# Altium PCB version2.PcbDoc
Units mm, origin at the board's own origin, x right, y up, seen from the top; angles counter-clockwise.
Board outline 61.21 x 83.69 mm, 2 copper layers (Top Layer, Bottom Layer); 32 components, 26 nets, 116 pads, 33 vias.
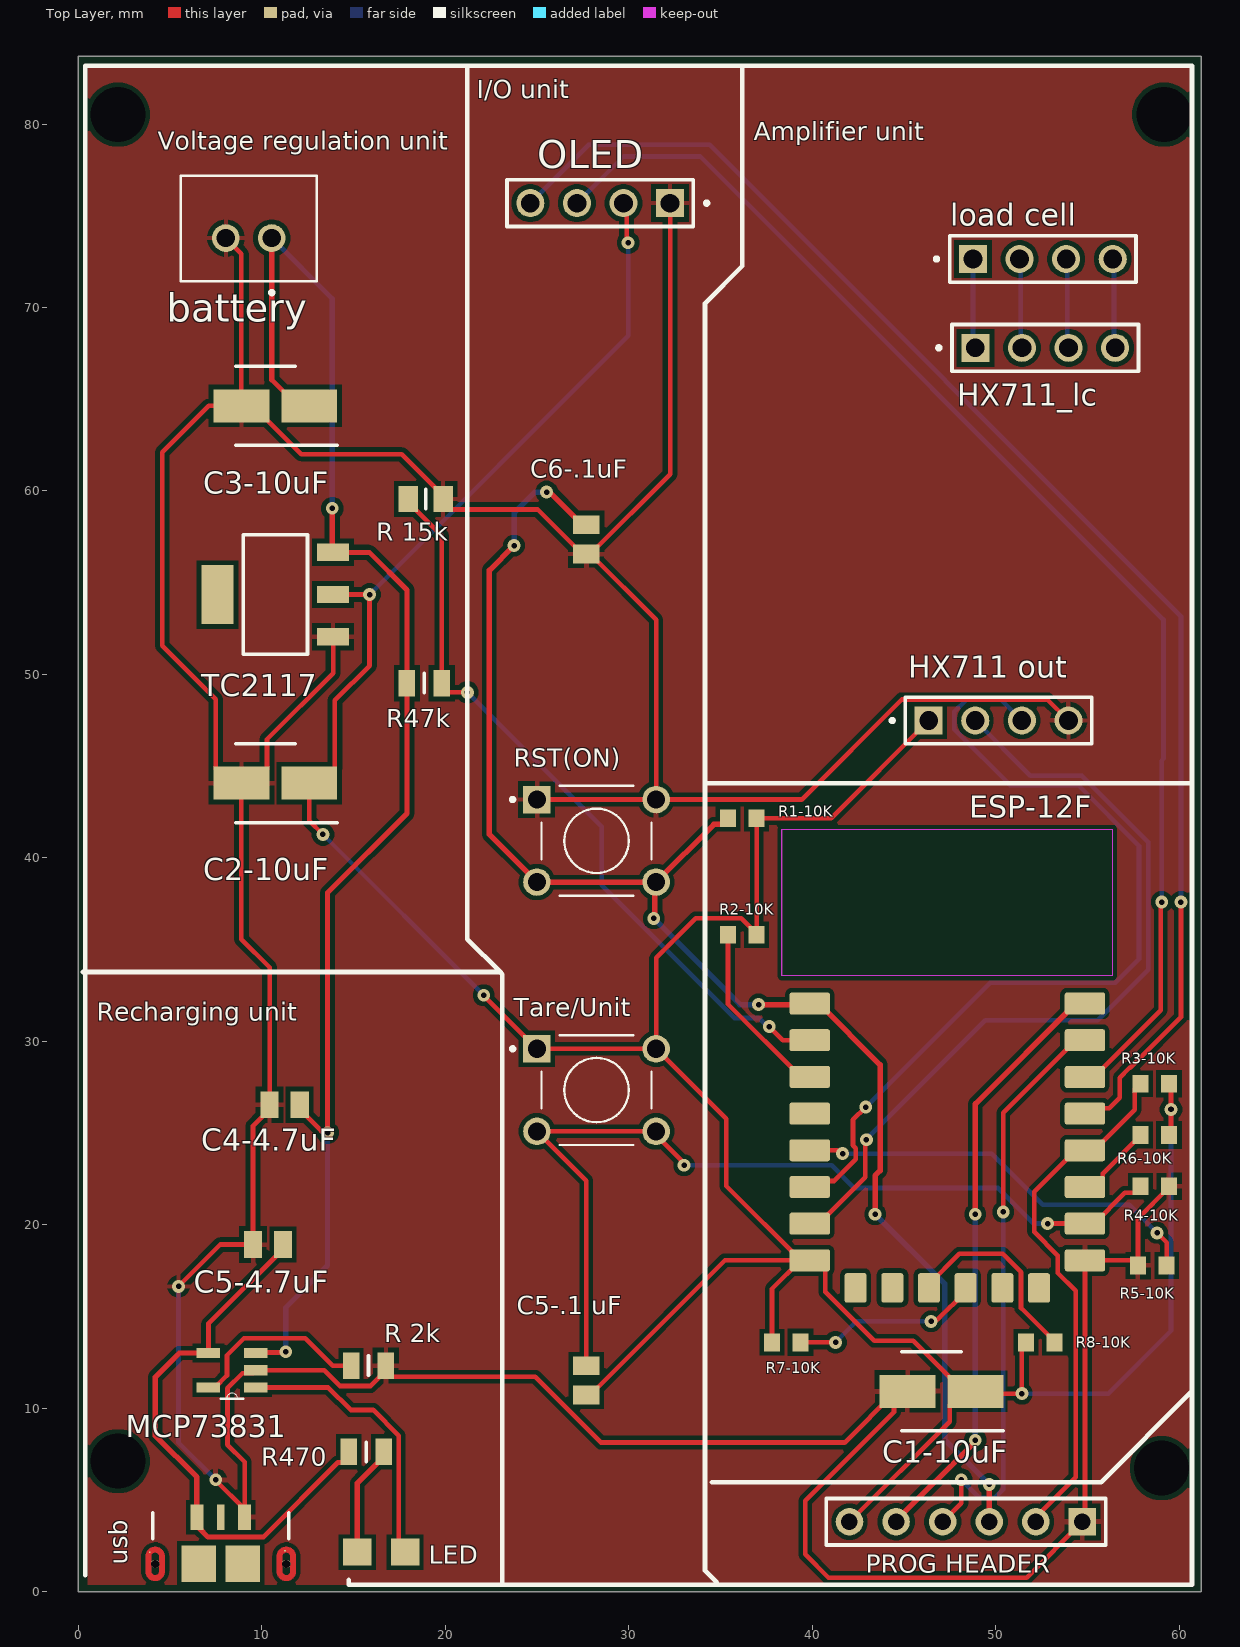
[diagram p0: Top Layer view]
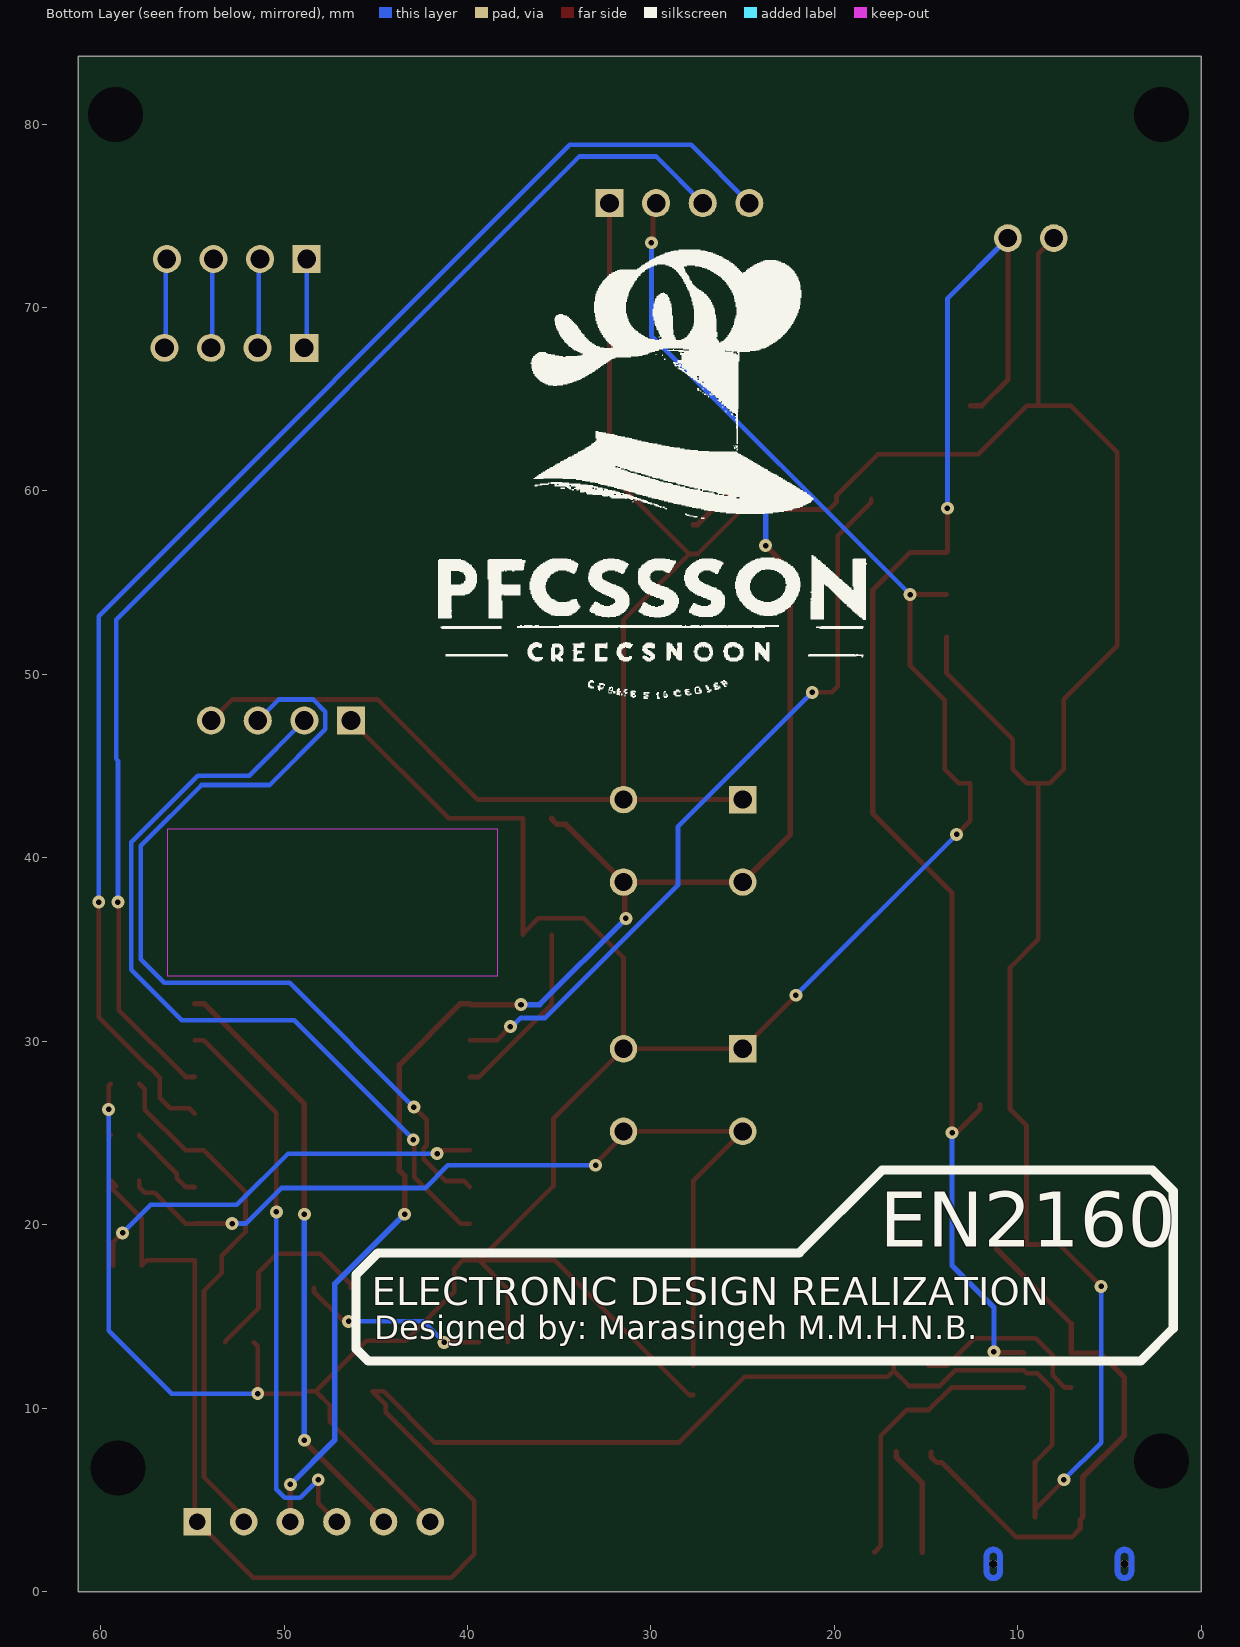
[diagram p1: Bottom Layer view, seen from below]
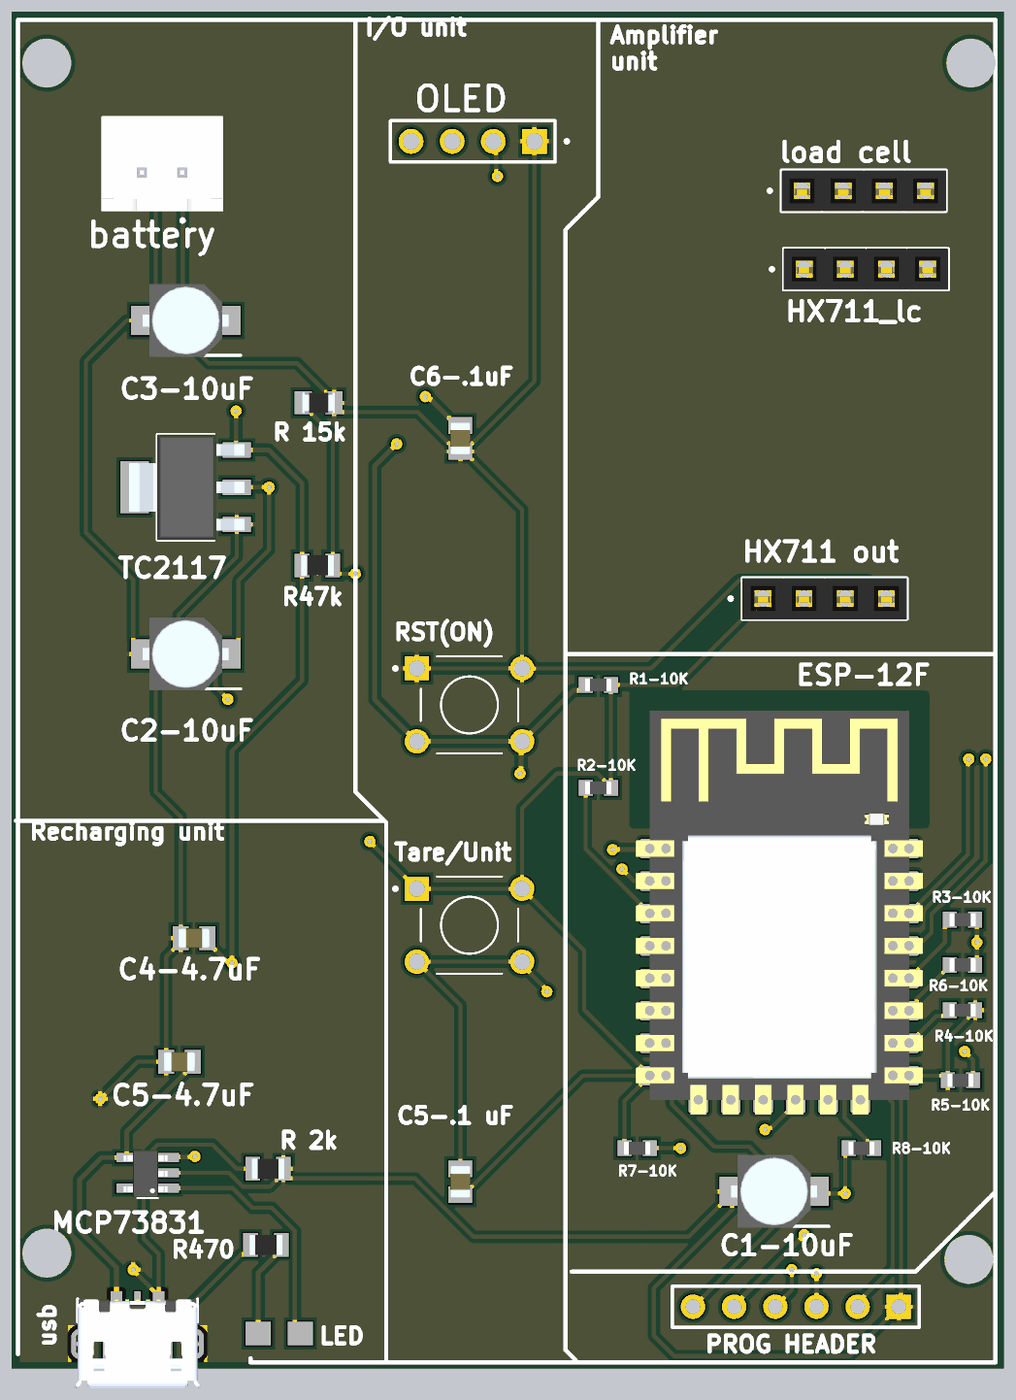
[diagram p2: 3D render of the assembled board from above, using the file's embedded part models]

## Layer stack, top to bottom
Top Solder: solder mask 0.0102, Solder Resist, Dk 3.5
Top Layer: signal copper 0.0356
Dielectric 1: dielectric 0.32, FR-4, Dk 4.8
Bottom Layer: signal copper 0.0356
Bottom Solder: solder mask 0.0102, Solder Resist, Dk 3.5

## Board outline
0,0 61.214,0 61.214,83.693 0,83.693

## Design rules (kind name [scope] priority, off if disabled: settings)
Clearance [All] p1: gap=0.254 ignorepadtopadclearanceinfootprint=TRUE except(0: Arc-Hole Track-Hole SMDPad-Hole THPad-Hole Via-Hole Fill-Hole Poly-Hole Region-Hole Text-Hole)
HoleSize [All] p1: absolutevalues=TRUE maxlimit=3 minlimit=0.025 maxpercent=80.000 minpercent=20.000
MinimumSolderMaskSliver [All] p1: minsoldermaskwidth=0.1
PolygonConnect [All] p1: connectstyle=Relief reliefconductorwidth=0.254 reliefentries=4 polygonreliefangle="90 Angle" airgapwidth=0.254
RoutingVias [All] p1: holewidth=0.3 width=0.7 viastyle="Through Hole" minholewidth=0.3 minwidth=0.7 maxholewidth=0.3 maxwidth=0.7
SMDNeckDown [All] p1: percent=50.000
SolderMaskExpansion [All] p1: expansion=0.102 istentingtop=FALSE
Width [All] p1: maxlimit=0.3 minlimit=0.254 preferedwidth=0.3
28 further rules are at their usual default settings.

## Components (designator, comment, footprint, x,y, rotation, side; value= is the part's Value field where it differs from the comment)
battery "B2B-XH-A(LF)(SN)" JST_B2B-XH-A(LF)(SN) 9.291,73.787 r0 top
C1-10uF "865080340001" CAPAE430X550N 47.045,10.922 r180 top
C2-10uF "865080340001" CAPAE430X550N 10.737,44.069 r180 top
C3-10uF "865080340001" CAPAE430X550N 10.737,64.643 r180 top
C4-4.7uF "885012107013" CAPC2012X145N 11.245,26.543 r0 top
C5-4.7uF "885012107013" CAPC2012X145N 10.345,18.923 r180 top
"C5-.1 uF" "C0805C104K5RAC7411" CAPC2012X88N 27.686,11.519 r90 top
C6-.1uF "C0805C104K5RAC7411" CAPC2012X88N 27.686,57.366 r90 top
ESP-12F "ESP-12F" ESP-12F 47.371,27.559 r0 top
"HX711 out" "MTSW-104-XX-X-S-XXX" SAMTEC_MTSW-104-XX-X-S-XXX 50.164,47.487 r0 top
HX711_lc "MTSW-104-XX-X-S-XXX" SAMTEC_MTSW-104-XX-X-S-XXX 52.709,67.804 r0 top
LED "CLM3C-AKW-CUAVB253" LEDM3020X140N 16.51,2.159 r180 top
"load cell" "MTSW-104-XX-X-S-XXX" SAMTEC_MTSW-104-XX-X-S-XXX 52.578,72.644 r0 top
MCP73831 "MCP73831T-2ACI/OT" SOT95P280X145-5N 8.382,12.065 r180 top
OLED "MTSW-104-XX-X-S-XXX" SAMTEC_MTSW-104-XX-X-S-XXX 28.448,75.692 r180 top
"PROG HEADER" "Header 6" HDR1X6 54.737,3.81 r180 top (schematic designator PROG_HEADER)
R1-10K "CRG0603F10K/10" RESC1608X55N 36.195,42.164 r180 top
R2-10K "CRG0603F10K/10" RESC1608X55N 36.195,35.814 r180 top
R3-10K "CRG0603F10K/10" RESC1608X55N 58.674,27.686 r0 top
R4-10K "CRG0603F10K/10" RESC1608X55N 58.674,22.098 r180 top
R5-10K "CRG0603F10K/10" RESC1608X55N 58.547,17.78 r0 top
R6-10K "CRG0603F10K/10" RESC1608X55N 58.674,24.892 r180 top
R7-10K "CRG0603F10K/10" RESC1608X55N 38.59,13.589 r180 top
R8-10K "CRG0603F10K/10" RESC1608X55N 52.433,13.589 r180 top
R47k "CR0805-JW-473ELF" RESC2012X60N 18.862,49.53 r180 top (schematic designator "R 47k")
R470 "CRCW0805470RFKEAC" RESC2012X60N 15.687,7.62 r0 top (schematic designator "R 470")
"R 2k" "CR0805-JW-202ELF" RESC2012X60N 15.814,12.319 r180 top
"R 15k" "ERJ-6GEYJ153V" RESC2012X70N 18.937,59.563 r180 top
RST(ON) "1825910-2" TE_1825910-2 24.996,43.18 r0 top
Tare/Unit "1825910-2" TE_1825910-2 24.996,29.591 r0 top
TC2117 "TC2117-3.3VDBTR" SOT230P700X180-4N 10.737,54.356 r180 top
usb "USB3090-XX-X_REVE" GCT_USB3090-XX-X_REVE 7.762,1.514 r0 top

## Footprints (in the part's own frame and the unit in brackets; to place one, negate y for a bottom-side part, rotate by r counter-clockwise, add the part's x,y. Pads: shape width x height; smd on the part's side, far side on the other; paste and mask are expansions set on the pad)
CAPAE430X550N [mm]
  rect 3.05x1.8 smd: 1(-1.85,0) 2(1.85,0)
  silkscreen extent -3.38,-2.15 2.15,2.15, body extent -10,-3.38 10,3.38, height 5.8
CAPC2012X88N [mm]
  rect 1.02x1.47 smd: 1(-0.8,0) 2(0.8,0)
  body extent -10,-3.38 10,3.38, height 5.8
CAPC2012X145N [mm]
  rect 0.99x1.47 smd: 1(-0.82,0) 2(0.82,0)
  body extent -10,-3.38 10,3.38, height 5.8
ESP-12F [mm]
  rrect20% 2.2x1.2 smd: 1(-7.5,4.5) 2(-7.5,2.5) 3(-7.5,0.5) 4(-7.5,-1.5) 5(-7.5,-3.5) 6(-7.5,-5.5) 7(-7.5,-7.5) 8(-7.5,-9.5) 9(7.5,-9.5) 10(7.5,-7.5) 11(7.5,-5.5) 12(7.5,-3.5) 13(7.5,-1.5) 14(7.5,0.5) 15(7.5,2.5) 16(7.5,4.5)
  rrect20% 1.2x1.6 smd: 17(-5,-11) 18(-3,-11) 19(-1,-11) 20(1,-11) 21(3,-11) 22(5,-11)
  Keep-Out Layer region: 9,6.005 -9.007,6.005 -9.007,14 9,14
  Keep-Out Layer region: 9,6.011 -9.016,6.011 -9.016,14 9,14
  body extent -8.85,-11.88 8.85,13.02, height 3.1
GCT_USB3090-XX-X_REVE [mm]
  rect 0.7x1.4 smd paste+0 mask+0.254: 1(-1.3,2.55) 5(1.3,2.55)
  rect 0.4x1.4 smd: 3(0,2.55)
  rect 0.1x0.1 smd paste-1 mask+0: 6(-3.87,0.63) 7(3.51,0.72)
  rect 1.9x2 smd: 8(-1.2,0) 9(1.2,0)
  round 0.45 hole 0.45 unplated: ""(-3.575,0) ""(3.575,0)
  Top Layer region: -3.548,0.924 -3.52,0.922 -3.493,0.919 -3.466,0.914 -3.439,0.907 -3.413,0.899 -3.387,0.89 -3.361,0.88 -3.337,0.868 -3.313,0.855 -3.289,0.84 -3.266,0.825 -3.245,0.808 -3.224,0.79 -3.204,0.771 -3.185,0.751 -3.167,0.73 -3.15,0.709 -3.135,0.686 -3.12,0.662 -3.107,0.638 -3.095,0.614 -3.085,0.588 -3.076,0.562 -3.068,0.536 -3.061,0.509 -3.056,0.482 -3.053,0.455 -3.051,0.427 -3.05,0.4 -3.05,0 -3.35,0 -3.35,0.4 -3.35,0.412 -3.351,0.424 -3.353,0.435 -3.355,0.447 -3.358,0.458 -3.361,0.47 -3.365,0.481 -3.369,0.492 -3.375,0.502 -3.38,0.512 -3.386,0.523 -3.393,0.532 -3.4,0.542 -3.408,0.551 -3.416,0.559 -3.424,0.567 -3.433,0.575 -3.443,0.582 -3.452,0.589 -3.463,0.595 -3.473,0.6 -3.483,0.606 -3.494,0.61 -3.505,0.614 -3.517,0.617 -3.528,0.62 -3.54,0.622 -3.551,0.624 -3.563,0.625 -3.587,0.625 -3.599,0.624 -3.61,0.622 -3.622,0.62 -3.633,0.617 -3.645,0.614 -3.656,0.61 -3.667,0.606 -3.677,0.6 -3.688,0.595 -3.698,0.589 -3.707,0.582 -3.717,0.575 -3.726,0.567 -3.734,0.559 -3.742,0.551 -3.75,0.542 -3.757,0.532 -3.764,0.523 -3.77,0.513 -3.775,0.502 -3.781,0.492 -3.785,0.481 -3.789,0.47 -3.792,0.458 -3.795,0.447 -3.797,0.435 -3.799,0.424 -3.8,0.412 -3.8,0.4 -3.8,0 -4.1,0 -4.1,0.4 -4.099,0.427 -4.097,0.455 -4.094,0.482 -4.089,0.509 -4.082,0.536 -4.074,0.562 -4.065,0.588 -4.055,0.614 -4.043,0.638 -4.03,0.663 -4.015,0.686 -4,0.709 -3.983,0.73 -3.965,0.751 -3.946,0.771 -3.926,0.79 -3.905,0.808 -3.884,0.825 -3.861,0.84 -3.837,0.855 -3.813,0.868 -3.789,0.88 -3.763,0.89 -3.737,0.899 -3.711,0.907 -3.684,0.914 -3.657,0.919 -3.63,0.922 -3.602,0.924 -3.575,0.925
  Top Layer region: -3.05,-0.4 -3.051,-0.427 -3.053,-0.455 -3.056,-0.482 -3.061,-0.509 -3.068,-0.536 -3.076,-0.562 -3.085,-0.588 -3.095,-0.614 -3.107,-0.638 -3.12,-0.662 -3.135,-0.686 -3.15,-0.709 -3.167,-0.73 -3.185,-0.751 -3.204,-0.771 -3.224,-0.79 -3.245,-0.808 -3.266,-0.825 -3.289,-0.84 -3.313,-0.855 -3.337,-0.868 -3.361,-0.88 -3.387,-0.89 -3.413,-0.899 -3.439,-0.907 -3.466,-0.914 -3.493,-0.919 -3.52,-0.922 -3.548,-0.924 -3.575,-0.925 -3.602,-0.924 -3.63,-0.922 -3.657,-0.919 -3.684,-0.914 -3.711,-0.907 -3.737,-0.899 -3.763,-0.89 -3.789,-0.88 -3.813,-0.868 -3.837,-0.855 -3.861,-0.84 -3.884,-0.825 -3.905,-0.808 -3.926,-0.79 -3.946,-0.771 -3.965,-0.751 -3.983,-0.73 -4,-0.709 -4.015,-0.686 -4.03,-0.663 -4.043,-0.638 -4.055,-0.614 -4.065,-0.588 -4.074,-0.562 -4.082,-0.536 -4.089,-0.509 -4.094,-0.482 -4.097,-0.455 -4.099,-0.427 -4.1,-0.4 -4.1,0 -3.8,0 -3.8,-0.4 -3.8,-0.412 -3.799,-0.424 -3.797,-0.435 -3.795,-0.447 -3.792,-0.458 -3.789,-0.47 -3.785,-0.481 -3.781,-0.492 -3.775,-0.502 -3.77,-0.513 -3.764,-0.523 -3.757,-0.532 -3.75,-0.542 -3.742,-0.551 -3.734,-0.559 -3.726,-0.567 -3.717,-0.575 -3.707,-0.582 -3.698,-0.589 -3.688,-0.595 -3.677,-0.6 -3.667,-0.606 -3.656,-0.61 -3.645,-0.614 -3.633,-0.617 -3.622,-0.62 -3.61,-0.622 -3.599,-0.624 -3.587,-0.625 -3.563,-0.625 -3.551,-0.624 -3.54,-0.622 -3.528,-0.62 -3.517,-0.617 -3.505,-0.614 -3.494,-0.61 -3.483,-0.606 -3.473,-0.6 -3.463,-0.595 -3.452,-0.589 -3.443,-0.582 -3.433,-0.575 -3.424,-0.567 -3.416,-0.559 -3.408,-0.551 -3.4,-0.542 -3.393,-0.532 -3.386,-0.523 -3.38,-0.512 -3.375,-0.502 -3.369,-0.492 -3.365,-0.481 -3.361,-0.47 -3.358,-0.458 -3.355,-0.447 -3.353,-0.435 -3.351,-0.424 -3.35,-0.412 -3.35,-0.4 -3.35,0 -3.05,0
  Top Layer region: 3.602,0.924 3.63,0.922 3.657,0.919 3.684,0.914 3.711,0.907 3.737,0.899 3.763,0.89 3.789,0.88 3.813,0.868 3.837,0.855 3.861,0.84 3.884,0.825 3.905,0.808 3.926,0.79 3.946,0.771 3.965,0.751 3.983,0.73 4,0.709 4.015,0.686 4.03,0.663 4.043,0.638 4.055,0.614 4.065,0.588 4.074,0.562 4.082,0.536 4.089,0.509 4.094,0.482 4.097,0.455 4.099,0.427 4.1,0.4 4.1,0 3.8,0 3.8,0.4 3.8,0.412 3.799,0.424 3.797,0.435 3.795,0.447 3.792,0.458 3.789,0.47 3.785,0.481 3.781,0.492 3.775,0.502 3.77,0.513 3.764,0.523 3.757,0.532 3.75,0.542 3.742,0.551 3.734,0.559 3.726,0.567 3.717,0.575 3.707,0.582 3.698,0.589 3.688,0.595 3.677,0.6 3.667,0.606 3.656,0.61 3.645,0.614 3.633,0.617 3.622,0.62 3.61,0.622 3.599,0.624 3.587,0.625 3.563,0.625 3.551,0.624 3.54,0.622 3.528,0.62 3.517,0.617 3.505,0.614 3.494,0.61 3.483,0.606 3.473,0.6 3.463,0.595 3.452,0.589 3.443,0.582 3.433,0.575 3.424,0.567 3.416,0.559 3.408,0.551 3.4,0.542 3.393,0.532 3.386,0.523 3.38,0.512 3.375,0.502 3.369,0.492 3.365,0.481 3.361,0.47 3.358,0.458 3.355,0.447 3.353,0.435 3.351,0.424 3.35,0.412 3.35,0.4 3.35,0 3.05,0 3.05,0.4 3.051,0.427 3.053,0.455 3.056,0.482 3.061,0.509 3.068,0.536 3.076,0.562 3.085,0.588 3.095,0.614 3.107,0.638 3.12,0.662 3.135,0.686 3.15,0.709 3.167,0.73 3.185,0.751 3.204,0.771 3.224,0.79 3.245,0.808 3.266,0.825 3.289,0.84 3.313,0.855 3.337,0.868 3.361,0.88 3.387,0.89 3.413,0.899 3.439,0.907 3.466,0.914 3.493,0.919 3.52,0.922 3.548,0.924 3.575,0.925
  Top Layer region: 4.1,-0.4 4.099,-0.427 4.097,-0.455 4.094,-0.482 4.089,-0.509 4.082,-0.536 4.074,-0.562 4.065,-0.588 4.055,-0.614 4.043,-0.638 4.03,-0.663 4.015,-0.686 4,-0.709 3.983,-0.73 3.965,-0.751 3.946,-0.771 3.926,-0.79 3.905,-0.808 3.884,-0.825 3.861,-0.84 3.837,-0.855 3.813,-0.868 3.789,-0.88 3.763,-0.89 3.737,-0.899 3.711,-0.907 3.684,-0.914 3.657,-0.919 3.63,-0.922 3.602,-0.924 3.575,-0.925 3.548,-0.924 3.52,-0.922 3.493,-0.919 3.466,-0.914 3.439,-0.907 3.413,-0.899 3.387,-0.89 3.361,-0.88 3.337,-0.868 3.313,-0.855 3.289,-0.84 3.266,-0.825 3.245,-0.808 3.224,-0.79 3.204,-0.771 3.185,-0.751 3.167,-0.73 3.15,-0.709 3.135,-0.686 3.12,-0.662 3.107,-0.638 3.095,-0.614 3.085,-0.588 3.076,-0.562 3.068,-0.536 3.061,-0.509 3.056,-0.482 3.053,-0.455 3.051,-0.427 3.05,-0.4 3.05,0 3.35,0 3.35,-0.4 3.35,-0.412 3.351,-0.424 3.353,-0.435 3.355,-0.447 3.358,-0.458 3.361,-0.47 3.365,-0.481 3.369,-0.492 3.375,-0.502 3.38,-0.512 3.386,-0.523 3.393,-0.532 3.4,-0.542 3.408,-0.551 3.416,-0.559 3.424,-0.567 3.433,-0.575 3.443,-0.582 3.452,-0.589 3.463,-0.595 3.473,-0.6 3.483,-0.606 3.494,-0.61 3.505,-0.614 3.517,-0.617 3.528,-0.62 3.54,-0.622 3.551,-0.624 3.563,-0.625 3.587,-0.625 3.599,-0.624 3.61,-0.622 3.622,-0.62 3.633,-0.617 3.645,-0.614 3.656,-0.61 3.667,-0.606 3.677,-0.6 3.688,-0.595 3.698,-0.589 3.707,-0.582 3.717,-0.575 3.726,-0.567 3.734,-0.559 3.742,-0.551 3.75,-0.542 3.757,-0.532 3.764,-0.523 3.77,-0.513 3.775,-0.502 3.781,-0.492 3.785,-0.481 3.789,-0.47 3.792,-0.458 3.795,-0.447 3.797,-0.435 3.799,-0.424 3.8,-0.412 3.8,-0.4 3.8,0 4.1,0
  Bottom Layer region: -3.548,0.924 -3.52,0.922 -3.493,0.919 -3.466,0.914 -3.439,0.907 -3.413,0.899 -3.387,0.89 -3.361,0.88 -3.337,0.868 -3.313,0.855 -3.289,0.84 -3.266,0.825 -3.245,0.808 -3.224,0.79 -3.204,0.771 -3.185,0.751 -3.167,0.73 -3.15,0.709 -3.135,0.686 -3.12,0.662 -3.107,0.638 -3.095,0.614 -3.085,0.588 -3.076,0.562 -3.068,0.536 -3.061,0.509 -3.056,0.482 -3.053,0.455 -3.051,0.427 -3.05,0.4 -3.05,0 -3.35,0 -3.35,0.4 -3.35,0.412 -3.351,0.424 -3.353,0.435 -3.355,0.447 -3.358,0.458 -3.361,0.47 -3.365,0.481 -3.369,0.492 -3.375,0.502 -3.38,0.512 -3.386,0.523 -3.393,0.532 -3.4,0.542 -3.408,0.551 -3.416,0.559 -3.424,0.567 -3.433,0.575 -3.443,0.582 -3.452,0.589 -3.463,0.595 -3.473,0.6 -3.483,0.606 -3.494,0.61 -3.505,0.614 -3.517,0.617 -3.528,0.62 -3.54,0.622 -3.551,0.624 -3.563,0.625 -3.587,0.625 -3.599,0.624 -3.61,0.622 -3.622,0.62 -3.633,0.617 -3.645,0.614 -3.656,0.61 -3.667,0.606 -3.677,0.6 -3.688,0.595 -3.698,0.589 -3.707,0.582 -3.717,0.575 -3.726,0.567 -3.734,0.559 -3.742,0.551 -3.75,0.542 -3.757,0.532 -3.764,0.523 -3.77,0.513 -3.775,0.502 -3.781,0.492 -3.785,0.481 -3.789,0.47 -3.792,0.458 -3.795,0.447 -3.797,0.435 -3.799,0.424 -3.8,0.412 -3.8,0.4 -3.8,0 -4.1,0 -4.1,0.4 -4.099,0.427 -4.097,0.455 -4.094,0.482 -4.089,0.509 -4.082,0.536 -4.074,0.562 -4.065,0.588 -4.055,0.614 -4.043,0.638 -4.03,0.663 -4.015,0.686 -4,0.709 -3.983,0.73 -3.965,0.751 -3.946,0.771 -3.926,0.79 -3.905,0.808 -3.884,0.825 -3.861,0.84 -3.837,0.855 -3.813,0.868 -3.789,0.88 -3.763,0.89 -3.737,0.899 -3.711,0.907 -3.684,0.914 -3.657,0.919 -3.63,0.922 -3.602,0.924 -3.575,0.925
  Bottom Layer region: -3.05,-0.4 -3.051,-0.427 -3.053,-0.455 -3.056,-0.482 -3.061,-0.509 -3.068,-0.536 -3.076,-0.562 -3.085,-0.588 -3.095,-0.614 -3.107,-0.638 -3.12,-0.662 -3.135,-0.686 -3.15,-0.709 -3.167,-0.73 -3.185,-0.751 -3.204,-0.771 -3.224,-0.79 -3.245,-0.808 -3.266,-0.825 -3.289,-0.84 -3.313,-0.855 -3.337,-0.868 -3.361,-0.88 -3.387,-0.89 -3.413,-0.899 -3.439,-0.907 -3.466,-0.914 -3.493,-0.919 -3.52,-0.922 -3.548,-0.924 -3.575,-0.925 -3.602,-0.924 -3.63,-0.922 -3.657,-0.919 -3.684,-0.914 -3.711,-0.907 -3.737,-0.899 -3.763,-0.89 -3.789,-0.88 -3.813,-0.868 -3.837,-0.855 -3.861,-0.84 -3.884,-0.825 -3.905,-0.808 -3.926,-0.79 -3.946,-0.771 -3.965,-0.751 -3.983,-0.73 -4,-0.709 -4.015,-0.686 -4.03,-0.663 -4.043,-0.638 -4.055,-0.614 -4.065,-0.588 -4.074,-0.562 -4.082,-0.536 -4.089,-0.509 -4.094,-0.482 -4.097,-0.455 -4.099,-0.427 -4.1,-0.4 -4.1,0 -3.8,0 -3.8,-0.4 -3.8,-0.412 -3.799,-0.424 -3.797,-0.435 -3.795,-0.447 -3.792,-0.458 -3.789,-0.47 -3.785,-0.481 -3.781,-0.492 -3.775,-0.502 -3.77,-0.513 -3.764,-0.523 -3.757,-0.532 -3.75,-0.542 -3.742,-0.551 -3.734,-0.559 -3.726,-0.567 -3.717,-0.575 -3.707,-0.582 -3.698,-0.589 -3.688,-0.595 -3.677,-0.6 -3.667,-0.606 -3.656,-0.61 -3.645,-0.614 -3.633,-0.617 -3.622,-0.62 -3.61,-0.622 -3.599,-0.624 -3.587,-0.625 -3.563,-0.625 -3.551,-0.624 -3.54,-0.622 -3.528,-0.62 -3.517,-0.617 -3.505,-0.614 -3.494,-0.61 -3.483,-0.606 -3.473,-0.6 -3.463,-0.595 -3.452,-0.589 -3.443,-0.582 -3.433,-0.575 -3.424,-0.567 -3.416,-0.559 -3.408,-0.551 -3.4,-0.542 -3.393,-0.532 -3.386,-0.523 -3.38,-0.512 -3.375,-0.502 -3.369,-0.492 -3.365,-0.481 -3.361,-0.47 -3.358,-0.458 -3.355,-0.447 -3.353,-0.435 -3.351,-0.424 -3.35,-0.412 -3.35,-0.4 -3.35,0 -3.05,0
  Bottom Layer region: 3.602,0.924 3.63,0.922 3.657,0.919 3.684,0.914 3.711,0.907 3.737,0.899 3.763,0.89 3.789,0.88 3.813,0.868 3.837,0.855 3.861,0.84 3.884,0.825 3.905,0.808 3.926,0.79 3.946,0.771 3.965,0.751 3.983,0.73 4,0.709 4.015,0.686 4.03,0.663 4.043,0.638 4.055,0.614 4.065,0.588 4.074,0.562 4.082,0.536 4.089,0.509 4.094,0.482 4.097,0.455 4.099,0.427 4.1,0.4 4.1,0 3.8,0 3.8,0.4 3.8,0.412 3.799,0.424 3.797,0.435 3.795,0.447 3.792,0.458 3.789,0.47 3.785,0.481 3.781,0.492 3.775,0.502 3.77,0.513 3.764,0.523 3.757,0.532 3.75,0.542 3.742,0.551 3.734,0.559 3.726,0.567 3.717,0.575 3.707,0.582 3.698,0.589 3.688,0.595 3.677,0.6 3.667,0.606 3.656,0.61 3.645,0.614 3.633,0.617 3.622,0.62 3.61,0.622 3.599,0.624 3.587,0.625 3.563,0.625 3.551,0.624 3.54,0.622 3.528,0.62 3.517,0.617 3.505,0.614 3.494,0.61 3.483,0.606 3.473,0.6 3.463,0.595 3.452,0.589 3.443,0.582 3.433,0.575 3.424,0.567 3.416,0.559 3.408,0.551 3.4,0.542 3.393,0.532 3.386,0.523 3.38,0.512 3.375,0.502 3.369,0.492 3.365,0.481 3.361,0.47 3.358,0.458 3.355,0.447 3.353,0.435 3.351,0.424 3.35,0.412 3.35,0.4 3.35,0 3.05,0 3.05,0.4 3.051,0.427 3.053,0.455 3.056,0.482 3.061,0.509 3.068,0.536 3.076,0.562 3.085,0.588 3.095,0.614 3.107,0.638 3.12,0.662 3.135,0.686 3.15,0.709 3.167,0.73 3.185,0.751 3.204,0.771 3.224,0.79 3.245,0.808 3.266,0.825 3.289,0.84 3.313,0.855 3.337,0.868 3.361,0.88 3.387,0.89 3.413,0.899 3.439,0.907 3.466,0.914 3.493,0.919 3.52,0.922 3.548,0.924 3.575,0.925
  Bottom Layer region: 4.1,-0.4 4.099,-0.427 4.097,-0.455 4.094,-0.482 4.089,-0.509 4.082,-0.536 4.074,-0.562 4.065,-0.588 4.055,-0.614 4.043,-0.638 4.03,-0.663 4.015,-0.686 4,-0.709 3.983,-0.73 3.965,-0.751 3.946,-0.771 3.926,-0.79 3.905,-0.808 3.884,-0.825 3.861,-0.84 3.837,-0.855 3.813,-0.868 3.789,-0.88 3.763,-0.89 3.737,-0.899 3.711,-0.907 3.684,-0.914 3.657,-0.919 3.63,-0.922 3.602,-0.924 3.575,-0.925 3.548,-0.924 3.52,-0.922 3.493,-0.919 3.466,-0.914 3.439,-0.907 3.413,-0.899 3.387,-0.89 3.361,-0.88 3.337,-0.868 3.313,-0.855 3.289,-0.84 3.266,-0.825 3.245,-0.808 3.224,-0.79 3.204,-0.771 3.185,-0.751 3.167,-0.73 3.15,-0.709 3.135,-0.686 3.12,-0.662 3.107,-0.638 3.095,-0.614 3.085,-0.588 3.076,-0.562 3.068,-0.536 3.061,-0.509 3.056,-0.482 3.053,-0.455 3.051,-0.427 3.05,-0.4 3.05,0 3.35,0 3.35,-0.4 3.35,-0.412 3.351,-0.424 3.353,-0.435 3.355,-0.447 3.358,-0.458 3.361,-0.47 3.365,-0.481 3.369,-0.492 3.375,-0.502 3.38,-0.512 3.386,-0.523 3.393,-0.532 3.4,-0.542 3.408,-0.551 3.416,-0.559 3.424,-0.567 3.433,-0.575 3.443,-0.582 3.452,-0.589 3.463,-0.595 3.473,-0.6 3.483,-0.606 3.494,-0.61 3.505,-0.614 3.517,-0.617 3.528,-0.62 3.54,-0.622 3.551,-0.624 3.563,-0.625 3.587,-0.625 3.599,-0.624 3.61,-0.622 3.622,-0.62 3.633,-0.617 3.645,-0.614 3.656,-0.61 3.667,-0.606 3.677,-0.6 3.688,-0.595 3.698,-0.589 3.707,-0.582 3.717,-0.575 3.726,-0.567 3.734,-0.559 3.742,-0.551 3.75,-0.542 3.757,-0.532 3.764,-0.523 3.77,-0.513 3.775,-0.502 3.781,-0.492 3.785,-0.481 3.789,-0.47 3.792,-0.458 3.795,-0.447 3.797,-0.435 3.799,-0.424 3.8,-0.412 3.8,-0.4 3.8,0 4.1,0
  silkscreen extent -3.7,1.37 3.7,2.77, body extent -3.9,-2.75 3.9,2.75, height 2.71
HDR1X6 [mm] "Connector; Header; 6 Position"
  rect 1.5x1.5 hole 0.9: 1(0,0)
  round 1.5 hole 0.9: 2(2.54,0) 3(5.08,0) 4(7.62,0) 5(10.16,0) 6(12.7,0)
  silkscreen extent -1.27,-1.27 13.97,1.27
JST_B2B-XH-A(LF)(SN) [mm]
  round 1.508 hole 1: 1(1.25,0) 2(-1.25,0)
  silkscreen extent -3.7,-3.07 3.7,3.4, body extent -3.72,-2.37 3.68,3.38, height 7
LEDM3020X140N [mm]
  rect 1.55x1.45 smd: 1(-1.3,0) 2(1.3,0)
  body extent -1.5,-0.49 1.5,0.51, height 2.01
RESC1608X55N [mm]
  rect 0.87x0.97 smd: 1(-0.78,0) 2(0.78,0)
  body extent -0.8,-0.4 0.8,0.4, height 0.55
RESC2012X60N [mm]
  rect 0.9x1.45 smd: 1(-0.95,0) 2(0.95,0)
  silkscreen extent 0,-0.53 0,0.53, body extent -1,-0.63 1,0.63, height 0.6
RESC2012X70N [mm]
  rect 1.05x1.4 smd: 1(-0.95,0) 2(0.95,0)
  silkscreen extent 0,-0.53 0,0.53, body extent -1,-0.63 1,0.63, height 0.6
SAMTEC_MTSW-104-XX-X-S-XXX [mm]
  rect 1.53x1.53 hole 1.02: 01(-3.81,0)
  round 1.53 hole 1.02: 02(-1.27,0) 03(1.27,0) 04(3.81,0)
  silkscreen extent -5.9,-1.27 5.08,1.27, body extent -5.08,-1.27 5.08,1.27, height 1.69
SOT95P280X145-5N [mil]
  rect 50x22 smd: 1(-51,37) 2(-51,0) 3(-51,-37) 4(51,-37) 5(51,37)
  silkscreen extent -24,49 24,61, body extent -48,-55 58,59, height 57
SOT230P700X180-4N [mm]
  rect 1.75x0.95 smd: 1(-3.15,2.3) 2(-3.15,0) 3(-3.15,-2.3)
  rect 1.75x3.2 smd: 4(3.15,0)
  silkscreen extent -1.75,-3.25 1.75,3.25, body extent -10,-3.38 10,3.38, height 5.8
TE_1825910-2 [mm]
  rect 1.498x1.498 / inner round 1.498 / far side rect 1.498x1.498 hole 0.99: 1(0,0)
  round 1.498 hole 0.99: 2(6.5,0) 3(0,-4.5) 4(6.5,-4.5)
  silkscreen extent -1.42,-5.24 6.24,0.74, body extent 0.19,-5.31 6.31,0.81

## Part data
battery: "Connector Header Through Hole 2 position 0.098 (2.50mm)", Package=None, Availability="In Stock", MF="JST Sales", MP=B2B-XH-A(LF)(SN), Price=None, Purchase-URL=https://pricing.snapeda.com/search/part/B2B-XH-A(LF)(SN)/?ref=eda
C1-10uF C2-10uF C3-10uF: "Wurth Elektronik 10uF 16 V dc Aluminium Electrolytic Capacitor, WCAP-ASLI Series 2000h 4 (Dia.) x 5.35mm", Manufacturer_Name="Wurth Elektronik", Mouser Part Number=710-865080340001, Datasheet Link=https://componentsearchengine.com/Datasheets/1/865080340001.pdf, Geometry.Height=5.5mm, Manufacturer_Part_Number=865080340001, Mouser Price/Stock=https://www.mouser.co.uk/ProductDetail/Wurth-Elektronik/865080340001?qs=0KOYDY2FL2%252BaqRFD837lAw%3D%3D
C4-4.7uF C5-4.7uF: "Multilayer Ceramic Capacitor 4.7uF 0805", Manufacturer_Name="Wurth Elektronik", Mouser Part Number=710-885012107013, Datasheet Link=https://katalog.we-online.de/pbs/datasheet/885012107013.pdf, Geometry.Height=1.45mm, Manufacturer_Part_Number=885012107013, Mouser Price/Stock=https://www.mouser.co.uk/ProductDetail/Wurth-Elektronik/885012107013?qs=0KOYDY2FL29a055VqgRqNw%3D%3D
"C5-.1 uF" C6-.1uF: "Cap Ceramic 0.1uF 50V X7R 10% Pad SMD 0805 125C T/R", Manufacturer_Name=KEMET, Mouser Part Number=80-C0805C104K5RACLR, Arrow Part Number=C0805C104K5RAC7411, Arrow Price/Stock=https://www.arrow.com/en/products/c0805c104k5rac7411/kemet-corporation, Datasheet Link=https://www.mouser.com/datasheet/2/212/KEM_C1002_X7R_SMD-1102033.pdf, Geometry.Height=0.88mm, Manufacturer_Part_Number=C0805C104K5RAC7411, Mouser Price/Stock=https://www.mouser.co.uk/ProductDetail/KEMET/C0805C104K5RAC7411?qs=jbRM9o5BbzPcVXF0wW9AYg%3D%3D
ESP-12F: "WiFi Module", Package=Package, Availability="Not in stock", Check_prices=https://www.snapeda.com/parts/ESP-12F/AI-Thinker/view-part/?ref=eda, MF=AI-Thinker, MP=ESP-12F, Price=None, SnapEDA_Link=https://www.snapeda.com/parts/ESP-12F/AI-Thinker/view-part/?ref=snap
"HX711 out" HX711_lc "load cell" OLED: Package=None, Availability="No availability data", Check_prices=https://www.snapeda.com/parts/MTSW-104-12-F-S-850/Samtec/view-part/6593359/?ref=eda, MF=Samtec, MP=MTSW-104-12-F-S-850, Price=None, SnapEDA_Link=https://www.snapeda.com/parts/MTSW-104-12-F-S-850/Samtec/view-part/6593359/?ref=snap
LED: "Standard LEDs - SMD Amber LED Cree PLCC2 1 in 1 SMD LED CLM3C-RKW/AKW", Manufacturer_Name=Wolfspeed, Mouser Part Number=941-CLM3CAKWCUAVB253, Datasheet Link=https://www.mouser.co.uk/datasheet/2/90/CLM3CRKWAKW1156-274590.pdf, Geometry.Height=1.4mm, Manufacturer_Part_Number=CLM3C-AKW-CUAVB253, Mouser Price/Stock=https://www.mouser.co.uk/ProductDetail/Cree-LED/CLM3C-AKW-CUAVB253?qs=3AcK5DacLbqERPW6%2FzkoPg%3D%3D
MCP73831: library part MCP73831T-5ACI/OT, "Charger IC Lithium Ion/Polymer SOT-23-5", Package="SOT-23-5 Microchip", Availability=Unavailable, MF=Microchip, MP=MCP73831T-5ACI/OT, Price=None, SnapEDA_Link=https://www.snapeda.com/parts/MCP73831T-5ACI/OT/Microchip/view-part/1037579/?ref=snap
"PROG HEADER": "Header, 6-Pin", LatestRevisionDate=17-Jul-2002, LatestRevisionNote="Re-released for DXP Platform.", Publisher="Altium Limited"
R1-10K R2-10K R3-10K R4-10K R5-10K R6-10K R7-10K R8-10K: "Thick Film Resistors - SMD CRG0603 1% 10K 10K RL", Package=0603, Power_Rating=".1 W", Resistance=10K, Tolerance=1%, Voltage_Rating="50 V", Availability=Unavailable, EU_RoHS_Compliance="Compliant with Exemptions", MF="TE Connectivity", MP=CRG0603F10K/10, Price=None, SnapEDA_Link=https://www.snapeda.com/parts/CRG0603F10K/10/TE%20Connectivity%20Passive%20Product/view-part/979761/?ref=snap, TE_purchase_URL=https://www.te.com/usa-en/product-1622829-2.html?te_bu=Cor&te_type=disp&te_campaign=seda_glo_cor-seda-global-disp-prtnr-fy19-seda-model-bom-cta_sma-317_1&elqCampaignId=32493
R47k: "Resistor", Manufacturer_Name=Bourns, Mouser Part Number=652-CR0805JW-473ELF, Arrow Part Number=CR0805-JW-473ELF, Arrow Price/Stock=https://www.arrow.com/en/products/cr0805-jw-473elf/bourns?region=nac, Datasheet Link=https://www.bourns.com/pdfs/chpreztr.pdf, Height=0.6mm, Manufacturer_Part_Number=CR0805-JW-473ELF, Mouser Price/Stock=https://www.mouser.co.uk/ProductDetail/Bourns/CR0805-JW-473ELF?qs=%252BcBkmVQIZ2S5L%2FTv0l5Nkg%3D%3D
R470: "Resistor", Manufacturer_Name=Vishay, Mouser Part Number=71-CRCW0805470RFKEAC, Arrow Part Number=CRCW0805470RFKEAC, Arrow Price/Stock=https://www.arrow.com/en/products/crcw0805470rfkeac/vishay?region=nac, Datasheet Link=https://mouser.componentsearchengine.com/Datasheets/1/CRCW0805470RFKEAC.pdf, Height=0.6mm, Manufacturer_Part_Number=CRCW0805470RFKEAC, Mouser Price/Stock=https://www.mouser.co.uk/ProductDetail/Vishay-Dale/CRCW0805470RFKEAC?qs=E3Y5ESvWgWPsF5leBpDSrQ%3D%3D
"R 2k": "Resistor", Manufacturer_Name=Bourns, Mouser Part Number=652-CR0805JW-202ELF, Arrow Part Number=CR0805-JW-202ELF, Arrow Price/Stock=https://www.arrow.com/en/products/cr0805-jw-202elf/bourns, Datasheet Link=https://www.bourns.com/pdfs/chpreztr.pdf, Height=0.6mm, Manufacturer_Part_Number=CR0805-JW-202ELF, Mouser Price/Stock=https://www.mouser.co.uk/ProductDetail/Bourns/CR0805-JW-202ELF?qs=wL7NMIHXUPnyGz%2Fa3t%2FGQg%3D%3D
"R 15k": "Resistor", Manufacturer_Name=Panasonic, Mouser Part Number=667-ERJ-6GEYJ153V, Datasheet Link=https://datasheet.datasheetarchive.com/originals/distributors/DKDS40/DSANUWW0010935.pdf, Height=0.7mm, Manufacturer_Part_Number=ERJ-6GEYJ153V, Mouser Price/Stock=https://www.mouser.co.uk/ProductDetail/Panasonic/ERJ-6GEYJ153V?qs=gybxhQrZOyE8NVeFJR%2FEkg%3D%3D
RST(ON) Tare/Unit: "50 mA SPST Round Actuator 160 Gram Force Tactile Pushbutton Switch", Package=None, Availability="In Stock", Check_prices=https://www.snapeda.com/parts/1825910-2/TE+Connectivity+ALCOSWITCH+Switches/view-part/?ref=eda, EU_RoHS_Compliance=Compliant, MF="TE Connectivity", MP=1825910-2, Price=None, Purchase-URL=https://pricing.snapeda.com/search/part/1825910-2/?ref=eda, SnapEDA_Link=https://www.snapeda.com/parts/1825910-2/TE+Connectivity+ALCOSWITCH+Switches/view-part/?ref=snap
TC2117: "Microchip TC2117-3.3VDBTR, LDO Voltage Regulator, 800mA, 3.3 V +/-0.5%, 2.7  6 Vin, 3-Pin SOT-223", Manufacturer_Name=Microchip, Mouser Part Number=579-TC2117-3.3VDBTR, Arrow Part Number=TC2117-3.3VDBTR, Arrow Price/Stock=https://www.arrow.com/en/products/tc2117-3.3vdbtr/microchip-technology?region=nac, Datasheet Link=https://componentsearchengine.com/Datasheets/2/TC2117-3.3VDBTR.pdf, Geometry.Height=1.8mm, Manufacturer_Part_Number=TC2117-3.3VDBTR, Mouser Price/Stock=https://www.mouser.co.uk/ProductDetail/Microchip-Technology/TC2117-3.3VDBTR?qs=AF%252BffTaPb30YsLOBvxArLw%3D%3D
usb: "Micro USB Receptacle, Type AB, SMT, R/A, Bottom Mount, w/out Peg, w/outer shell stakes", Package=None, Availability=Unavailable, MP=USB3090-XX-X_REVE, Price=None

## Free pads (board coordinates)
  round 1.524 hole 3: 2(59.055,6.731) 3(59.182,80.518) 4(2.159,80.518) 5(2.159,7.112)

## Via types
v1: diameter 0.7, hole 0.3, Top Layer to Bottom Layer, 33 vias

## Nets (pads, with @x,y where several pads share a name; then routed paths per layer and width w, separated by ;. In a path a pad name is that pad's centre, name@x,y a point inside that pad or via, vN(x,y) a via of type N, cw(c..) or ccw(c..) an arc to the next point about the centre after c; other vN are vias at no path point)
A+: "load cell.01" HX711_lc.01 | length 4.9
  Bottom Layer w0.254: 48.768,72.644 48.768,67.935 HX711_lc.01
A-: "load cell.02" HX711_lc.02 | length 4.9
  Bottom Layer w0.254: 51.308,72.644 51.374,72.578 51.374,67.869 HX711_lc.02
BatLev: "R 15k.2" ESP-12F.2 R47k.1 | length 40.9
  Top Layer w0.254: 17.987,59.563 17.987,59.388 19.812,57.563 R47k.1 19.812,49.345 20.135,49.022 v1(21.209,49.022) ; v1(37.661,30.803) 37.661,30.788 38.39,30.059 ESP-12F.2
  Bottom Layer w0.254: v1(21.209,49.022) 28.53,41.701 28.53,38.508 35.765,31.273 37.097,31.273 37.567,30.803 v1(37.661,30.803)
DT: "HX711 out.03" ESP-12F.6 | length 48.8
  Top Layer w0.254: ESP-12F.6 40.2,22.388 41.202,22.388 42.387,23.573 42.387,24.179 42.225,24.341 42.225,25.715 v1(42.926,26.416)
  Bottom Layer w0.254: v1(42.926,26.416) 49.699,33.189 56.529,33.189 57.816,34.476 57.816,40.653 54.497,43.972 50.788,43.972 47.748,47.012 47.748,47.962 48.419,48.633 50.288,48.633 51.434,47.487
E+: "load cell.04" HX711_lc.04 | length 4.9
  Bottom Layer w0.254: 56.388,72.644 56.454,72.578 56.454,67.869 HX711_lc.04
E-: "load cell.03" HX711_lc.03 | length 4.9
  Bottom Layer w0.254: 53.848,72.644 53.914,72.578 53.914,67.869 HX711_lc.03
FLASH: "PROG HEADER.2" ESP-12F.12 R3-10K.1 | length 28.7
  Top Layer w0.254: 52.197,3.81 52.197,4.064 54.363,6.23 54.363,16.398 53.39,17.371 53.39,18.321 52.101,19.61 52.101,21.789 54.371,24.059 55.371,24.059 57.586,26.274 57.586,27.378 R3-10K.1
GND: "HX711 out.04" "PROG HEADER.1" "R 2k.1" "R 15k.1" battery.2 C1-10uF.2 C2-10uF.2 C3-10uF.2 C4-4.7uF.1 C5-4.7uF.2 C6-.1uF.1 ESP-12F.9 MCP73831.2 OLED.01 R4-10K.1 R5-10K.1 RST(ON).1 RST(ON).2 TC2117.1 usb.5 | length 279.9
  Top Layer w0.254: v1(5.461,16.637) 7.747,18.923 C5-4.7uF.2 9.525,25.403 10.425,26.303 C4-4.7uF.1 10.425,34.025 8.887,35.563 C2-10uF.2 ; v1(7.493,6.096) 7.493,6.058 usb.5@9.062,4.489 ; battery.2 8.887,72.941 C3-10uF.2 ; usb.5 usb.5@9.062,4.489 ; TC2117.1 13.887,50.076 10.285,46.474 10.285,44.842 9.512,44.069 C2-10uF.2 ; 16.764,12.319 16.764,12.044 ; 24.996,43.18 31.496,43.18 ; OLED.01 32.258,60.913 C6-.1uF.1@27.911,56.566 ; 53.974,47.487 52.828,48.633 44.884,48.633 39.431,43.18 31.496,43.18 ; R4-10K.1@59.146,22.107 R4-10K.1@59.454,22.415 ; R4-10K.1 59.454,22.048 57.767,20.361 R5-10K.1 57.488,18.059 ESP-12F.9 54.871,3.944 54.737,3.81 51.689,0.762 40.894,0.762 39.624,2.032 39.624,4.953 44.461,9.79 44.461,10.188 C1-10uF.2 44.57,10.922 41.776,8.128 28.493,8.128 24.9,11.721 17.087,11.721 16.764,12.044 ; C2-10uF.2 8.262,44.069 7.489,44.842 7.489,48.645 4.572,51.562 4.572,62.103 7.112,64.643 C3-10uF.2 ; C3-10uF.2 9.512,64.643 12.152,62.003 17.622,62.003 19.887,59.738 19.887,59.563 19.887,59.388 20.285,58.99 25.037,58.99 27.461,56.566 C6-.1uF.1 C6-.1uF.1@27.911,56.566 ; usb.5@9.062,4.489 9.062,7.067 8.128,8.001 8.128,11.093 8.948,11.913 9.525,11.913 MCP73831.2 13.404,12.065 14.256,11.213 15.933,11.213 16.764,12.044 ; C6-.1uF.1@27.911,56.566 31.496,52.981 31.496,43.18
  Bottom Layer w0.254: v1(5.461,16.637) 5.461,8.128 v1(7.493,6.096)
Netbattery_1: battery.1 C3-10uF.1 C4-4.7uF.2 MCP73831.3 R47k.2 TC2117.3 | length 82
  Top Layer w0.279: MCP73831.3 9.716,13.043 11.265,13.043 v1(11.303,13.081) ; battery.1 10.541,66.064 11.962,64.643 C3-10uF.1 ; C4-4.7uF.2 12.065,26.303 13.269,25.099 13.509,25.099 v1(13.589,25.019) 13.589,38.1 17.912,42.423 R47k.2 17.912,54.605 15.861,56.656 TC2117.3 13.843,56.7 v1(13.843,59.055)
  Bottom Layer w0.279: battery.1 13.843,70.485 v1(13.843,59.055) ; v1(11.303,13.081) 11.303,15.494 13.589,17.78 v1(13.589,25.019)
NetC5-4.7uF_1: C5-4.7uF.1 MCP73831.4 R470.1 usb.1 | length 30.5
  Top Layer w0.274: 5.512,13.005 MCP73831.4
  Top Layer w0.279: usb.1@6.597,3.929 6.597,3.436 7.063,2.97 10.082,2.97 14.147,7.035 14.427,7.035 14.737,7.345 R470.1 ; MCP73831.4 7.087,14.605 11.165,18.683 C5-4.7uF.1
  Top Layer w0.3: 5.512,13.005 4.19,11.683 4.19,8.51 6.462,6.238 usb.1
NetESP-12F_3: ESP-12F.3 R2-10K.2 | length 9.9
  Top Layer w0.254: R2-10K.2 35.415,32.015 39.371,28.059 ESP-12F.3
NetESP-12F_5: ESP-12F.5 R5-10K.2 | length 22.8
  Top Layer w0.254: ESP-12F.5 41.352,24.059 41.535,23.876 v1(41.656,23.876) ; v1(58.801,19.558) 59.327,19.032 R5-10K.2
  Bottom Layer w0.254: v1(41.656,23.876) 49.784,23.876 52.578,21.082 57.277,21.082 v1(58.801,19.558)
NetESP-12F_11: ESP-12F.11 R6-10K.2 | length 4.4
  Top Layer w0.254: ESP-12F.11 55.371,22.059 55.844,22.532 55.844,22.792 57.894,24.842 R6-10K.2
NetESP-12F_19: ESP-12F.19 R8-10K.1 | length 10.9
  Top Layer w0.254: ESP-12F.19 46.371,16.759 48.027,18.415 50.384,18.415 51.39,17.409 51.39,15.462 53.213,13.639 R8-10K.1
NetESP-12F_20: ESP-12F.20 R7-10K.1 | length 10.3
  Top Layer w0.254: R7-10K.1 v1(41.275,13.589) ; v1(46.482,14.732) 46.567,14.817 46.829,14.817 48.371,16.359 ESP-12F.20
  Bottom Layer w0.254: v1(41.275,13.589) 42.418,14.732 v1(46.482,14.732)
NetLED_1: LED.1 MCP73831.1 | length 15.4
  Top Layer w0.254: MCP73831.1 13.626,11.125 14.845,9.906 16.065,9.906 17.468,8.503 17.468,2.501 LED.1
NetLED_2: LED.2 R470.2 | length 6.1
  Top Layer w0.3: LED.2 15.21,5.918 16.637,7.345 R470.2
NetMCP73831_5: "R 2k.2" MCP73831.5 | length 10.2
  Top Layer w0.254: MCP73831.5 7.442,11.125 8.103,11.786 8.103,12.883 9.031,13.812 12.376,13.812 13.869,12.319 14.864,12.319
RST: "PROG HEADER.3" C6-.1uF.2 ESP-12F.1 R1-10K.2 RST(ON).3 RST(ON).4 | length 84.1
  Top Layer w0.3: v1(23.749,57.023) 22.401,55.675 22.401,41.275 24.996,38.68 31.496,38.68 ; v1(25.527,59.944) 25.604,59.867 25.76,59.867 27.461,58.166 C6-.1uF.2 ; v1(31.369,36.703) 31.432,36.767 31.432,38.616 31.496,38.68 ; R1-10K.2 35.415,42.114 35.13,41.829 34.645,41.829 31.496,38.68 ; v1(37.084,32.004) 39.816,32.004 ESP-12F.1 40.371,32.059 43.71,28.72 43.71,22.954 43.434,22.678 v1(43.434,20.574) ; 49.657,3.81 v1(49.657,5.842)
  Bottom Layer w0.3: v1(23.749,57.023) 23.749,58.801 24.892,59.944 v1(25.527,59.944) ; v1(31.369,36.703) 36.068,32.004 v1(37.084,32.004) ; v1(43.434,20.574) 47.236,16.772 47.236,8.263 v1(49.657,5.842)
RX: "PROG HEADER.4" ESP-12F.15 | length 32.2
  Top Layer w0.254: 47.117,3.81 48.133,4.826 v1(48.133,6.096) ; v1(50.419,20.701) 50.419,26.107 54.371,30.059 ESP-12F.15
  Bottom Layer w0.254: v1(48.133,6.096) 49.118,5.111 49.96,5.111 50.419,5.57 v1(50.419,20.701)
SCK: "HX711 out.02" ESP-12F.7 | length 44.5
  Top Layer w0.254: ESP-12F.7 40.371,20.059 42.903,22.591 42.903,24.585 v1(42.956,24.638)
  Bottom Layer w0.254: v1(42.956,24.638) 42.956,24.668 49.435,31.147 55.576,31.147 58.324,33.895 58.324,40.863 54.707,44.48 51.901,44.48 48.894,47.487
SCL: ESP-12F.14 OLED.03 | length 70.5
  Top Layer w0.254: ESP-12F.14 55.371,28.059 59.01,31.698 59.01,37.547 v1(59.055,37.592)
  Bottom Layer w0.254: OLED.03 29.718,78.232 33.909,78.232 59.151,52.99 59.151,45.399 59.055,45.303 v1(59.055,37.592)
SDA: ESP-12F.13 OLED.04 | length 77.3
  Top Layer w0.254: ESP-12F.13 55.17,26.358 56.203,26.358 56.769,26.924 56.769,28.02 57.301,28.552 57.337,28.552 60.105,31.32 v1(60.105,37.592)
  Bottom Layer w0.254: OLED.04 27.813,78.867 34.417,78.867 60.105,53.179 v1(60.105,37.592)
Tare/Unit: "C5-.1 uF.2" ESP-12F.10 R4-10K.2 Tare/Unit.3 Tare/Unit.4 | length 50.3
  Top Layer w0.254: 27.686,12.319 27.686,22.401 Tare/Unit.3 Tare/Unit.4 31.496,24.886 33.02,23.362 v1(33.02,23.241) ; v1(52.832,20.066) 54.864,20.066 ESP-12F.10 55.371,20.059 57.052,21.74 57.586,21.74 57.894,22.048 R4-10K.2 R4-10K.2@57.894,22.415
  Bottom Layer w0.254: v1(33.02,23.241) 41.069,23.241 42.308,22.002 50.151,22.002 52.088,20.066 v1(52.832,20.066)
TX: "PROG HEADER.5" ESP-12F.16 | length 32.8
  Top Layer w0.3: 44.577,3.81 44.577,3.873 48.895,8.191 v1(48.895,8.255) ; v1(48.895,20.574) 48.895,26.583 54.371,32.059 ESP-12F.16
  Bottom Layer w0.3: v1(48.895,8.255) v1(48.895,20.574)
VCC: "C5-.1 uF.1" "HX711 out.01" "PROG HEADER.6" C1-10uF.1 C2-10uF.1 ESP-12F.8 OLED.02 R1-10K.1 R2-10K.1 R3-10K.2 R6-10K.1 R7-10K.2 R8-10K.2 Tare/Unit.1 Tare/Unit.2 TC2117.2 | length 184.5
  Top Layer w0.254: v1(13.335,41.275) 12.587,42.023 C2-10uF.1 13.212,44.069 13.985,44.842 13.985,48.594 15.875,50.484 v1(15.875,54.356) TC2117.2 ; v1(22.098,32.512) 22.098,32.489 Tare/Unit.1 Tare/Unit.2 ; 27.686,10.719 27.911,10.719 35.251,18.059 ESP-12F.8@39.371,18.059 ; OLED.02 29.887,75.523 29.887,73.618 v1(29.972,73.533) ; R2-10K.1 R2-10K.1@36.975,35.864 ; R7-10K.2 37.81,16.498 ESP-12F.8@39.371,18.059 ; 42.037,3.81 47.497,9.27 47.497,10.149 C1-10uF.1@48.27,10.922 ; 46.354,47.487 41.031,42.164 R1-10K.1 R2-10K.1@36.975,35.864 ; R8-10K.2 51.435,13.371 v1(51.435,10.795) 49.022,10.795 C1-10uF.1 C1-10uF.1@48.27,10.922 ; R6-10K.1 59.563,25.001 v1(59.563,26.289) 59.563,27.577 R3-10K.2 ; Tare/Unit.2 35.316,25.771 35.316,22.114 ESP-12F.8@39.371,18.059 ; Tare/Unit.2 31.496,34.544 33.655,36.703 36.136,36.703 R2-10K.1@36.975,35.864 ; ESP-12F.8@39.371,18.059 ESP-12F.8 40.251,18.059 40.724,17.586 40.724,16.338 43.378,13.683 45.509,13.683 C1-10uF.1@48.27,10.922
  Bottom Layer w0.254: v1(13.335,41.275) v1(22.098,32.512) ; v1(15.875,54.356) 29.972,68.453 v1(29.972,73.533) ; v1(51.435,10.795) 56.134,10.795 59.563,14.224 v1(59.563,26.289)
pads on no net: ESP-12F.4 ESP-12F.17 ESP-12F.18 ESP-12F.21 ESP-12F.22 TC2117.4 usb. usb.3 usb.6 usb.7 usb.8 usb.9

## Polygon pours and split planes (outlines as drawn)
GND on Top Layer "NONET_L-01_P-001" (solid, remove dead copper, pour order 0): 0.508,83.058 60.579,83.058 60.579,0.508 60.452,0.381 0.508,0.381

## Silkscreen, mask and mechanical layers (free items; w line width, h text height)
Top Overlay:
  lines w0.254: 0.381,0.889 0.381,83.185 60.706,83.185 60.706,0.381 14.732,0.381 14.732,0.635 ; 21.209,83.185 21.209,35.56 22.987,33.782 ; 23.114,0.508 23.114,33.655 22.987,33.782 ; 34.29,44.069 60.706,44.069 ; 34.544,5.969 55.753,5.969 60.706,10.922 ; 34.798,0.508 34.163,1.143 34.163,70.231 36.195,72.263 36.195,83.185 ; 22.987,33.782 0.254,33.782 22.987,33.782
  text "I/O unit" at 21.717,81.407 h1
  text "Amplifier unit" at 36.83,79.121 h1
  text "Voltage regulation unit" at 4.318,78.613 h1
  text "Recharging unit" at 1.016,31.115 h1
Bottom Overlay:
  drawing of 95 lines, arcs and shapes, not listed
  text "EN2160" at 17.526,18.796 h3
  text "ELECTRONIC DESIGN REALIZATION" at 45.212,15.621 h1.52
  text "Designed by: Marasingeh M.M.H.N.B." at 45.085,13.768 h1.3

## Text inside footprints (layer, text, board x,y; h text height)
usb: Mechanical 13 "PCB Edge" at 5.857,-1.026 h0.67